# KiCad board Z3660_v023.kicad_pcb (continued)
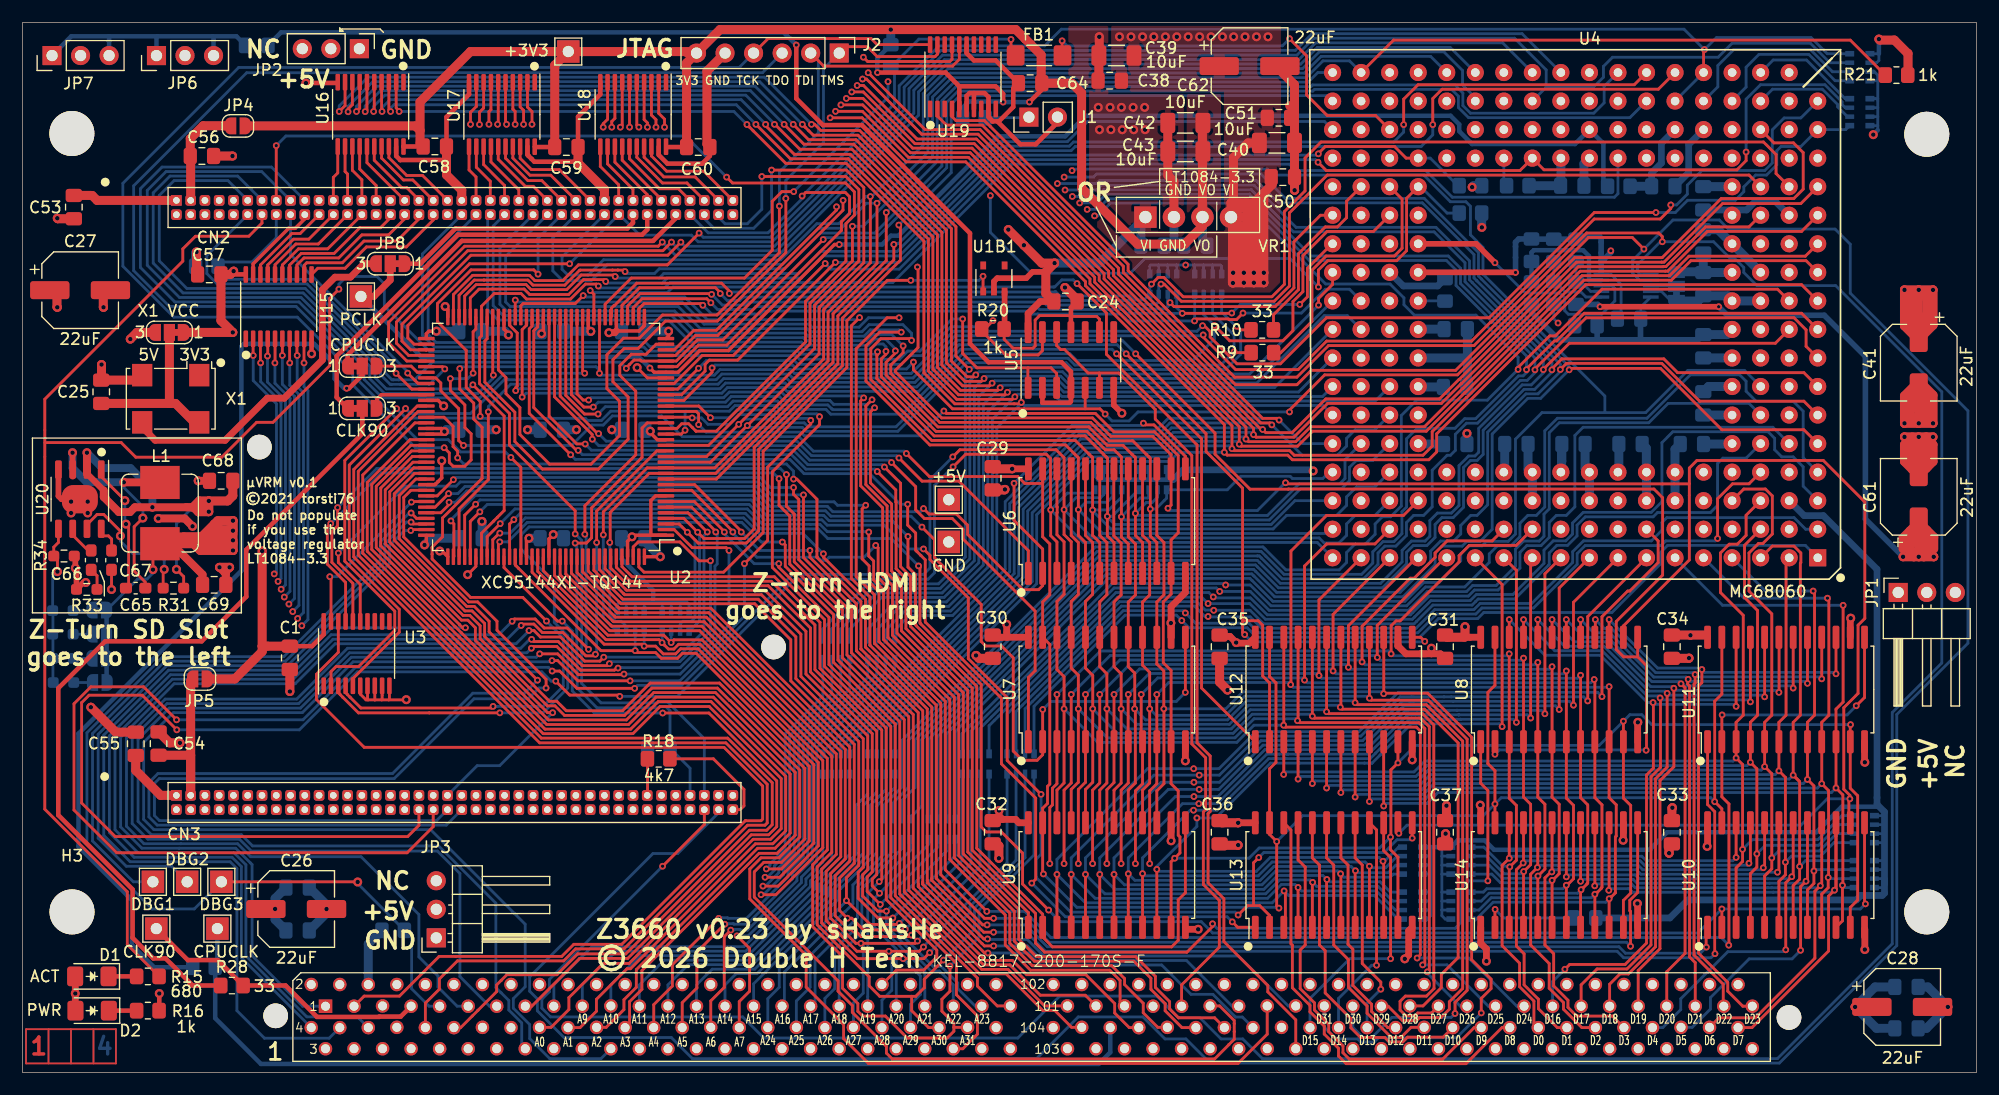
[diagram p0: board, top side]
## Routing (per net, layer and track width the routed paths; a pad name or vN(x,y) marks a point on that pad's centre or on a via; arc(x,y) is an arc through that point) (continued)
+5V: length 280.5
  Top w0.25: v1(13.71,44.77) 14.35,44.13 R31.2
  Top w0.5: v2(140.41,68.14) v2(150.98,68.14) ; 91.08,71.24 89.9,71.24 89.35,70.69 86.76,70.69 86.47,70.4 U1B1.2
  Top w0.55: 5.74,53.29 7.24,51.8
  Top w0.6: D1.2 4.7,8.54 v1(4.7,7.03) 4.7,5.52 D2.2 ; 86.61,22.55 86.64,22.53 87.24,22.53 ; C30.1 86.56,38.73 87.6,38.73 ; v1(86.92,23.32) 86.92,22.84 87.24,22.53 ; 129.79,38.73 128.83,38.73 128.82,38.73 128.35,38.73 ; U14.24 129.79,23.76 v1(129.75,23.8) ; 87.6,38.73 U7.24 ; 87.6,38.73 v1(87.6,39.88) ; 87.24,22.53 88.39,22.53 88.7,22.22 89.54,22.22 ; C29.1 86.43,53.85 86.43,53.72 89.54,53.72 ; C35.1 106.68,38.8 107.48,38.8 v1(108.03,38.26) 108.08,38.21 109.2,38.21 109.73,38.73 ; v1(108.2,22.22) 108.21,22.22 U13.24 ; 149.99,22.22 149.99,20.16 v1(149.95,20.12) ; U5.14 89.51,67.53 90.59,68.61 C24.1 ; 149.79,38.93 149.99,38.73
  Top w0.7: 5.74,53.29 5.74,53.66 5.74,53.66 v1(5.74,55.16) ; 14.59,50.3 15.19,50.3 15.63,49.86 16.54,49.86 v1(16.59,49.91) 16.19,50.3 14.59,50.3 ; 14.59,50.3 v1(11.57,50.3) 10,50.3 9.57,49.87 8.58,49.87 7.24,51.21 7.24,51.8
  Top w0.8: 86.43,53.72 v1(88.09,53.72) ; 86.43,53.72 86.23,53.92 86.43,53.72 ; C40.1 109.09,82.72 107.78,81.41 107.78,77.6 107.57,77.39 ; 107.57,77.39 VR1.4 ; 107.57,77.39 109.6,77.39 ; VR1.4 108.46,77.01 108.71,77.01 ; VR1.4 108.84,76.12 ; VR1.4 108.33,75.36 108.33,71.55 v1(108.71,71.17) ; VR1.4 107.7,76.12 107.7,72.56 ; 109.6,70.66 v1(109.6,70.28) ; 109.6,70.66 v1(109.6,71.17) ; 109.6,70.66 110.11,71.17 ; v1(109.6,70.28) v1(110.49,70.28) 110.49,78.28 ; v1(109.6,70.28) v1(108.71,70.28) ; 169.42,46.15 169.48,46.21 169.48,48.28 ; C53.1 6.2,78.05 6.64,77.61 CN2.1 ; C33.1 146.81,23.52 v1(146.85,23.56) ; 107.7,72.56 107.7,70.28 ; 107.7,72.56 107.7,70.29 v1(107.74,70.25) 107.76,70.28 v1(108.71,70.28) ; 169.23,45.89 169.48,46.15 ; 169.23,45.89 v1(170.12,45.89) ; 169.23,45.89 168.34,45.89 ; v1(108.71,71.17) 109.6,72.06 ; v1(108.71,71.17) v1(109.6,71.17) ; v1(108.71,71.17) v1(108.71,70.28) ; v1(108.71,71.17) v1(107.76,71.17) ; 108.97,76.75 108.71,77.01 ; 108.71,77.01 108.33,77.39 ; 109.86,71.8 109.86,77.64 ; 109.86,77.64 109.6,77.39 ; 109.86,77.64 111.23,79.02 111.23,79.68 ; v1(108.71,70.28) v1(109.6,71.17) ; 108.97,71.42 108.97,77.26 108.84,77.39 ; v1(16.59,50.86) 18.26,50.86 18.72,51.32 C68.1 ; v1(16.59,50.86) v1(16.59,49.91) ; v1(16.59,50.86) 15.75,50.86 15.19,50.3 ; v1(128.4,39.67) 128.4,38.79 128.35,38.73 126.81,38.73 C31.1 ; 168.15,46.4 168.02,46.53 168.02,48.21 ; 109.6,72.06 v1(110.49,71.17) v1(109.6,71.17) ; 109.6,72.06 109.6,77.39 ; C24.1 91.08,69.33 91.08,71.24 v1(91.87,72.03) 90.73,72.03 v1(89.14,73.62) v1(87.75,75) ; CN3.1 12.3,24.66 10.08,26.88 C55.1 ; v1(108.2,22.22) 108.2,22.22 106.75,22.22 106.55,22.42 C36.1 ; 168.78,48.97 167.39,47.58 167.39,46.59 ; 168.78,48.97 v1(168.78,45.89) ; 168.78,48.97 170.12,47.64 170.12,46.59 ; 107.76,70.48 107.79,70.46 108.71,70.46 ; 168.34,45.89 v1(167.39,45.89) ; 168.34,45.89 168.02,46.21 ; 165.12,5.84 v1(163.12,5.84) ; C34.1 149.79,38.93 ; v1(107.76,71.17) 108.47,70.46 ; v1(107.76,71.17) 107.88,71.17 108.97,72.25 ; JP11.3 10.19,65.86 v1(9.6,65.26) ; 3.07,69.62 3.07,68.12 v1(3.1,68.09) ; 126.75,22.36 v1(126.75,23.74)
  Bottom w0.25: v1(16.59,50.86) 15.72,50.86 13.71,48.85 v1(13.71,44.77)
  Bottom w0.5: v2(150.98,68.14) 151.74,67.38 160.38,67.38 164.03,63.72 164.03,49.25 v1(167.39,45.89) ; R26.2 140.21,68.35 v2(140.41,68.14)
  Bottom w0.7: v1(11.57,50.3) 11.57,51.84 9.62,53.79 7.11,53.79 v1(5.74,55.16)
  Bottom w0.8: C52.1 99.55,75.72 VR1.1 95.86,72.03 v1(91.87,72.03) ; C11.1 22.49,13.61 22.49,15.49 C13.1 ; C14.1 165.02,3.93 v1(163.12,5.84) 164.9,7.62 C12.1
  vias: v1(22.49,14.56) v1(97.64,92.16) v1(98.67,92.16) v1(99.69,92.16) v1(100.7,92.16) v1(101.73,92.16) v1(102.74,92.16) v1(103.76,92.16) v1(104.77,92.16) v1(105.79,92.16) v1(106.81,92.16) v1(107.8,92.16) v1(108.82,92.16) v1(109.84,92.16) v1(110.86,92.16) v1(148.46,38.91)
GNDA: length 8.6
  Bottom w0.5: NT1.1 140.51,74.24 140.36,74.39 138.51,74.39 R25.1 R23.1 134.33,74.16 R24.1 133.18,74.17 132.89,73.88 NT3.1
040A0: length 68.6
  Top w0.25: U2.121 43.86,45.17 43.93,45.09 43.93,45.09 44.14,44.89 44.14,44.89 51.49,37.54 v2(54.54,37.54) 54.71,37.36 56.36,37.36 56.87,36.85 58.3,36.85 58.75,37.3 59.97,37.3 70.03,27.24 70.03,20.6 67.55,18.12 v2(66.21,18.12)
  Bottom w0.25: RN10.4 71.24,33.5 67.92,30.17 67.92,30.15 67.89,30.12 67.89,19.91 66.53,18.56 66.53,18.43 v2(66.21,18.12) ; v2(54.54,37.54) RN22.6
040A1: length 69.8
  Top w0.25: v2(66.09,17.38) 67.41,17.38 70.43,20.4 70.43,27.41 60.14,37.7 58.59,37.7 58.14,37.26 57.04,37.26 56.35,37.94 v2(55.34,37.94) 55.16,38.11 51.77,38.11 45.36,44.53 U2.124
  Bottom w0.25: RN10.3 72.04,33.7 68.29,29.95 68.29,19.75 66.93,18.39 66.93,18 66.31,17.38 v2(66.09,17.38) ; RN22.5 v2(55.34,37.94)
040A2: length 71.7
  Top w0.25: v2(65.9,16.59) 67.25,16.59 70.83,20.17 70.83,27.59 60.32,38.11 58.4,38.11 57.97,37.68 57.5,37.68 57.16,38.02 v2(56.93,38.25) 56.66,38.51 51.93,38.51 45.86,44.59 U2.125
  Bottom w0.25: RN10.2 72.84,33.92 68.73,29.81 68.73,29.8 68.73,29.78 68.69,29.74 68.69,29.73 68.69,29.73 68.69,19.59 67.33,18.22 67.33,17.8 66.12,16.59 v2(65.9,16.59) ; v2(56.93,38.25) 56.94,38.26 RN21.8
040A3: length 73.6
  Top w0.25: U2.126 46.36,44.66 52.1,38.91 57.08,38.91 v2(57.74,38.26) 57.99,38.51 60.49,38.51 71.24,27.76 71.24,20.01 67.05,15.82 v2(65.74,15.82)
  Bottom w0.25: v2(65.74,15.82) 65.95,15.82 67.73,17.6 67.73,18.06 69.09,19.42 69.09,29.56 69.09,29.56 69.09,29.58 69.13,29.61 69.13,29.64 73.64,34.15 RN10.1 ; v2(57.74,38.26) RN21.7
040A4: length 42.2
  Top w0.25: v2(61.97,13.72) 57.85,9.59 57.85,7.69 56.19,6.03 56.19,4 CN1.52
  Bottom w0.25: RN9.4 75.24,35.17 69.56,29.48 69.56,29.47 69.49,29.41 69.49,29.4 69.49,29.39 69.49,19.25 68.13,17.89 68.13,17.4 64.45,13.72 62.8,13.72 62.75,13.77 62.27,13.77 62.22,13.72 v2(61.97,13.72)
040A5: length 41.1
  Top w0.25: CN1.56 58.72,6.21 60.03,7.52 60.03,10.72 v2(62.51,13.2)
  Bottom w0.25: RN9.3 76.04,35.39 69.9,29.25 69.9,29.23 69.89,29.23 69.89,19.09 68.53,17.73 68.53,17.24 64.49,13.2 63.33,13.2 63.28,13.25 62.8,13.25 62.76,13.2 v2(62.51,13.2)
040A6: length 40.1
  Top w0.25: v2(63.04,12.67) 62.47,12.09 62.47,7.58 61.26,6.37 CN1.60
  Bottom w0.25: RN9.2 76.84,35.62 70.43,29.2 70.43,29.19 70.3,29.06 70.3,18.92 68.93,17.56 68.93,17.07 64.53,12.67 63.91,12.67 63.84,12.74 63.36,12.74 63.3,12.67 v2(63.04,12.67)
040A7: length 40
  Top w0.25: CN1.64 63.8,6.32 64.72,7.23 64.72,11.04 v2(63.6,12.16)
  Bottom w0.25: v2(63.6,12.16) 64.59,12.16 69.33,16.9 69.33,17.39 70.7,18.76 70.7,28.9 77.64,35.84 RN9.1
040A8: length 38.5
  Bottom w0.25: RN8.4 71.24,18.73 69.73,17.23 69.73,16.72 64.21,11.2 52.66,11.2 52.66,11.2 50.69,11.2 47.3,7.8 47.3,5.91 CN1.33
040A9: length 36.6
  Bottom w0.25: RN8.3 72.04,18.96 70.14,17.06 70.14,16.56 64.38,10.8 52.83,10.8 49.83,7.8 CN1.37
040A10: length 34.7
  Bottom w0.25: CN1.41 52.37,7.8 54.97,10.4 64.58,10.4 70.54,16.36 70.54,16.9 72.84,19.2 RN8.2
040A11: length 32.9
  Bottom w0.25: CN1.45 54.91,7.8 57.11,10 64.78,10 70.94,16.16 70.94,16.73 73.64,19.43 RN8.1
040A12: length 31.4
  Bottom w0.25: RN7.4 75.24,24.81 74.24,23.81 74.24,19.46 71.34,16.56 71.34,15.95 64.98,9.6 59.25,9.6 57.45,7.8 CN1.49
040A13: length 29.5
  Bottom w0.25: CN1.53 59.99,7.8 61.39,9.2 65.18,9.2 71.74,15.76 71.74,16.4 74.84,19.5 74.84,23.77 76.04,24.97 RN7.3
040A14: length 27.7
  Bottom w0.25: CN1.57 62.53,7.8 63.53,8.8 65.38,8.8 72.14,15.56 72.14,16.23 75.44,19.53 75.44,23.76 76.84,25.16 RN7.2
040A15: length 25.9
  Bottom w0.25: 65.08,5.9 65.08,7.89 72.6,15.42 72.6,16.14 76.04,19.57 76.04,23.72 77.64,25.32 RN7.1
040A16: length 18.6
  Bottom w0.25: CN1.65 67.82,6.11 67.82,8.94 73.18,14.31 73.21,14.31 73.91,15.01 73.91,16.7 76.64,19.42 RN6.4
040A17: length 17.9
  Bottom w0.25: RN6.3 77.44,19.65 74.31,16.53 74.31,13.78 70.55,10.01 70.55,6.3 CN1.69
040A18: length 17.2
  Bottom w0.25: RN6.2 78.24,19.89 74.71,16.37 74.71,12.5 72.7,10.49 72.7,5.91 CN1.73
040A19: length 62.4
  Top w0.25: v2(76.26,16.98) 76.48,17.21 76.48,30.47 70.98,35.97 70.98,40.06 66.93,44.12 54.26,44.12 53.36,45.02 U2.140
  Bottom w0.25: RN6.1 79.04,19.77 76.26,17 v2(76.26,16.98) 75.24,15.96 75.24,6.75 75.23,6.75 CN1.77
040A20: length 65.1
  Top w0.25: U2.139 52.86,44.95 54.1,43.72 66.65,43.72 70.54,39.83 70.54,35.86 76.04,30.36 76.04,17.61 75.64,17.2 75.64,16.61 v2(76.29,15.95)
  Bottom w0.25: RN5.4 80.64,20.3 76.29,15.95 v2(76.29,15.95) 76.29,15.95 75.74,15.41 75.74,13.03 77.78,10.99 77.78,5.91 CN1.81
040A21: length 67.3
  Top w0.25: U2.138 52.36,44.89 53.93,43.31 66.38,43.31 70.14,39.56 70.14,35.66 75.64,30.16 75.64,17.86 75.19,17.41 75.19,16.12 76.3,15.01 76.3,14.91 v2(76.35,14.96)
  Bottom w0.25: CN1.85 80.32,5.91 80.32,9.02 76.32,13.01 76.32,14.92 v2(76.35,14.96) 81.44,20.04 RN5.3
040A22: length 69.9
  Top w0.25: v2(76.89,14.36) 76.13,14.36 74.79,15.7 74.79,17.61 75.24,18.06 75.24,29.95 69.74,35.45 69.74,39.26 66.08,42.92 53.77,42.92 53.66,43.02 51.86,44.82 U2.137
  Bottom w0.25: RN5.2 82.24,19.7 v2(76.89,14.36) 76.89,13 80.87,9.03 81.62,9.03 82.85,7.8 82.85,5.91 CN1.89
040A23: length 72.4
  Top w0.25: U2.136 51.36,44.76 53.6,42.52 65.78,42.52 69.29,39.01 69.29,35.26 74.84,29.7 74.84,18.26 74.39,17.81 74.39,15.51 76.14,13.75 v2(77.47,13.75)
  Bottom w0.25: CN1.93 84.81,5.9 83.25,7.47 83.25,7.97 81.78,9.43 81.06,9.43 77.47,13.03 v2(77.47,13.75) 83.04,19.32 RN5.1
040A24: length 83.4
  Top w0.25: v2(73.34,15.29) 75.46,13.18 77.95,13.18 v2(78.05,13.27) ; v2(73.34,15.29) 73.37,15.29 73.34,15.33 73.34,17.33 74.44,18.43 74.44,29.45 68.84,35.06 68.84,38.77 65.49,42.12 53.43,42.12 53.33,42.22 50.86,44.69 U2.135 ; v2(73.34,15.29) 73.27,15.22
  Bottom w0.25: v2(73.34,15.29) 73.27,15.22 73.27,15.19 67.36,9.29 67.36,7.59 66.34,6.57 CN1.68 ; v2(78.05,13.27) 83.64,18.86 RN4.4
040A25: length 83.2
  Top w0.25: U2.134 50.36,44.62 53.27,41.72 65.18,41.72 68.39,38.51 68.39,34.86 74.04,29.2 74.04,18.61 72.74,17.31 72.74,14.41 73.41,13.73 v2(73.42,13.73) 73.82,13.73 74.86,12.69 78.53,12.69 v2(78.57,12.73)
  Bottom w0.25: CN1.72 68.88,6.37 70.1,7.59 70.1,10.41 v2(73.42,13.73) ; v2(78.57,12.73) 84.44,18.6 RN4.3
040A26: length 81.4
  Top w0.25: v2(79.13,12.23) 78.99,12.09 74.64,12.09 v2(74.04,12.69) 73.58,12.69 72.34,13.94 72.34,17.51 73.64,18.81 73.64,28.95 61.28,41.31 53.1,41.31 53,41.42 49.86,44.56 U2.133
  Bottom w0.25: RN4.2 85.24,18.34 v2(79.13,12.23) ; CN1.76 71.42,6.59 72.3,7.47 72.3,10.95 v2(74.04,12.69)
040A27: length 81.5
  Top w0.25: v2(79.66,11.7) 79.46,11.5 v2(74.63,11.5) 74.17,11.5 71.94,13.73 71.94,17.7 73.24,19.01 73.24,28.76 61.08,40.91 52.94,40.91 52.84,41.02 49.36,44.49 U2.132
  Bottom w0.25: RN4.1 86.04,18.08 v2(79.66,11.7) ; CN1.80 73.96,6.19 74.84,7.06 74.84,11.29 v2(74.63,11.5)
040A28: length 83.3
  Top w0.25: v2(80.19,11.17) 79.81,10.79 v2(77.11,10.79) 74.27,10.79 71.54,13.52 71.54,17.91 72.84,19.2 72.84,28.56 60.88,40.51 52.77,40.51 52.67,40.62 48.86,44.43 U2.131
  Bottom w0.25: v2(80.19,11.17) 80.19,11.21 87.64,18.66 RN3.4 ; v2(77.11,10.79) 77.38,10.53 77.38,7.32 76.5,6.44 CN1.84
040A29: length 85.2
  Top w0.25: U2.130 48.36,44.36 52.61,40.11 60.68,40.11 72.44,28.36 72.44,19.41 71.14,18.11 71.14,13.31 74.32,10.13 v2(78.38,10.13) 80.21,10.13 v2(80.75,10.66)
  Bottom w0.25: RN3.3 88.44,18.89 84.34,14.79 84.34,14.25 v2(80.75,10.66) ; CN1.88 79.04,6.07 79.92,6.94 79.92,8.6 v2(78.38,10.13)
040A30: length 88
  Top w0.25: 79.15,6.78 79.15,5.51 80.66,4 CN1.92 ; 79.15,6.78 76.3,6.78 75.36,7.72 75.36,8.52 70.74,13.14 70.74,18.31 72.04,19.61 72.04,28.16 60.48,39.71 52.44,39.71 52.34,39.82 52.33,39.82 47.86,44.29 U2.129 ; 79.15,6.78 79.51,6.78 80.26,7.54 80.26,8.29 v2(81.98,10.01)
  Bottom w0.25: v2(81.98,10.01) 84.74,12.77 84.74,14.62 89.24,19.12 RN3.2
040A31: length 95.1
  Top w0.25: U2.128 47.36,44.22 52.27,39.31 60.28,39.31 71.64,27.95 71.64,19.81 70.34,18.51 70.34,12.98 72.99,10.32 72.99,7.5 74.36,6.13 74.36,5.45 74.78,5.03 76.8,5.03 78.76,3.07 82.3,3.07 82.9,3.67 82.9,4.01 ; 82.9,4.01 82.9,4.39 81.84,5.46 81.84,6.52 82.55,7.24 v2(82.55,9.47) ; 82.9,4.01 82.91,4.02 CN1.96
  Bottom w0.25: RN3.1 90.04,19.36 85.14,14.46 85.14,12.06 v2(82.55,9.47)
060A0: length 148.4
  Top w0.25: v2(70.23,84.37) 70.51,84.37 71.05,83.83 74.52,83.83 83.09,75.26 83.09,63.75 v2(84.27,62.57) ; v2(115.36,68.29) 115.36,68.88 116.61,70.13 U4.102 ; U16.9 28.71,86.04 v2(28.19,85.52)
  Bottom w0.25: v2(115.36,68.29) 109.23,62.16 93.34,62.16 92.74,62.76 84.46,62.76 v2(84.27,62.57) 83.92,62.22 83.92,45.88 81.53,43.48 75.25,43.48 71.24,39.48 RN10.5 ; v2(28.19,85.52) 28.19,86.01 30.75,88.57 66.03,88.57 v2(70.23,84.37)
060A1: length 145.3
  Top w0.25: v2(28.98,85.49) 28.98,85.74 29.36,86.12 U16.8 ; v2(84.85,62.08) 84.68,61.91 84.08,61.91 82.69,63.31 82.69,63.59 82.69,63.59 82.69,75.09 74.37,83.41 70.38,83.41 69.99,83.79 69.99,83.79 69.66,84.13 69.66,84.13 v2(69.42,84.37)
  Bottom w0.25: v2(28.98,85.49) 28.98,85.97 31.18,88.17 65.62,88.17 v2(69.42,84.37) ; U4.96 109.7,61.76 93.18,61.76 92.57,62.36 85.13,62.36 v2(84.85,62.08) 84.32,61.55 84.32,45.71 81.69,43.08 75.63,43.08 72.04,39.48 RN10.6
060A2: length 146.4
  Top w0.25: v2(85.59,61.75) 85.34,61.5 83.89,61.5 82.24,63.16 82.24,74.96 74.19,83 69.97,83 v2(68.6,84.37) ; v2(29.73,85.52) 30.01,85.8 U16.7
  Bottom w0.25: v2(68.6,84.37) 65.21,87.77 31.53,87.77 29.73,85.97 v2(29.73,85.52) ; U4.89 117.92,67.36 115.87,67.36 109.87,61.36 93.01,61.36 92.41,61.96 85.79,61.96 v2(85.59,61.75) 84.72,60.89 84.72,45.54 81.86,42.67 76.05,42.67 72.84,39.47 RN10.7
060A3: length 141.5
  Top w0.25: v2(86.3,61.34) 86.07,61.1 83.69,61.1 81.84,62.96 81.84,74.75 73.99,82.61 69.56,82.61 v2(67.79,84.37) ; v2(30.5,85.5) 30.66,85.66 30.66,88.13
  Bottom w0.25: U4.90 111.44,60.96 92.85,60.96 92.24,61.56 86.52,61.56 v2(86.3,61.34) 85.12,60.16 85.12,45.36 82.04,42.28 76.46,42.28 73.64,39.45 RN10.8 ; v2(30.5,85.5) 30.5,86 31.87,87.37 64.79,87.37 v2(67.79,84.37)
060A4: length 138.3
  Top w0.25: v2(87.02,60.93) 86.79,60.7 83.49,60.7 81.44,62.76 81.44,74.56 73.84,82.16 69.19,82.16 66.98,84.37 v2(66.94,84.37) ; v2(31.25,85.52) 31.31,85.58 U16.5
  Bottom w0.25: U4.84 113.58,60.56 92.68,60.56 92.08,61.16 87.24,61.16 v2(87.02,60.93) 85.52,59.44 85.52,45.16 82.24,41.88 77.66,41.88 75.24,39.45 RN9.5 ; v2(66.94,84.37) 66.94,84.41 64.38,86.97 53.96,86.97 32.26,86.97 31.25,85.96 v2(31.25,85.52)
060A5: length 135.8
  Top w0.25: 31.96,88.13 31.96,85.56 v2(32,85.52) ; v2(87.67,60.53) 87.45,60.3 83.32,60.3 81.04,62.59 81.04,74.36 73.69,81.71 68.7,81.71 66.25,84.15 66.25,84.27 v2(66.15,84.37)
  Bottom w0.25: v2(66.15,84.37) 66.15,84.39 63.97,86.57 53.8,86.57 32.72,86.57 32,85.85 v2(32,85.52) ; U4.78 115.72,60.16 92.52,60.16 91.91,60.76 87.9,60.76 v2(87.67,60.53) 85.92,58.78 85.92,44.96 82.44,41.48 78.12,41.48 76.04,39.4 RN9.6
060A6: length 139.5
  Top w0.25: U16.3 32.61,85.67 v2(32.77,85.52) ; 65.36,84.32 65.33,84.32 v2(65.28,84.37) 68.35,81.31 73.49,81.31 80.64,74.16 80.64,62.42 83.16,59.9 88.1,59.9 v2(88.33,60.13)
  Bottom w0.25: v2(32.77,85.52) 32.77,85.81 33.07,86.12 63.54,86.12 v2(65.28,84.37) ; 121.69,61.04 120.4,59.76 92.35,59.76 91.75,60.36 88.56,60.36 v2(88.33,60.13) 86.32,58.12 86.32,44.77 82.62,41.06 78.55,41.06 76.84,39.36 RN9.7
060A7: length 132
  Top w0.25: v2(33.53,85.52) 33.53,85.57 33.26,85.83 U16.2 ; v2(88.91,59.63) 88.78,59.5 88.27,59.5 88.27,59.5 82.99,59.5 80.23,62.26 80.23,73.99 73.32,80.9 68.18,80.9 68.18,80.91 67.93,80.91 65.04,83.79 65.04,83.79 64.71,84.13 64.71,84.13 v2(64.48,84.36)
  Bottom w0.25: U4.72 115.76,59.36 89.18,59.36 v2(88.91,59.63) 88.91,59.55 86.72,57.37 86.72,44.6 82.79,40.67 78.95,40.67 77.64,39.36 RN9.8 ; v2(33.53,85.52) 63.32,85.52 v2(64.48,84.36)
060A8: length 153.7
  Top w0.25: U17.9 40.4,85.96 39.88,85.44 v2(39.88,84.37) ; v2(111.85,58.06) 111.7,58.2 110.39,58.2 97.56,71.03 97.56,71.58 85.23,83.9 82.07,83.9 82.07,83.91 80.34,83.91 v2(75.28,88.97)
  In2.Cu w0.25: v2(39.88,84.37) 39.88,85.16 43.7,88.98 75.26,88.98 v2(75.28,88.97)
  Bottom w0.25: RN8.5 71.24,28.55 87.47,44.78 87.47,50.79 93.86,57.18 100.95,57.18 101.99,58.22 111.68,58.22 v2(111.85,58.06) 113.94,55.96 U4.66
060A9: length 158.3
  Top w0.25: v2(40.68,84.36) 40.68,85.45 41.05,85.82 U17.8 ; v2(111.2,57.63) 111.02,57.81 110.22,57.81 97.11,70.92 97.11,71.45 85.06,83.5 80.04,83.5 75.13,88.41 v2(74.77,88.41)
  In2.Cu w0.25: v2(74.77,88.41) 43.88,88.41 40.68,85.21 v2(40.68,84.36)
  Bottom w0.25: 121.69,58.5 120.38,57.2 118.62,57.2 117.86,56.43 117.86,55.74 117.04,54.93 113.9,54.93 v2(111.2,57.63) 111.03,57.8 102.13,57.8 101.11,56.78 94.02,56.78 87.87,50.63 87.87,44.57 72.04,28.73 RN8.6
060A10: length 199.7
  Top w0.25: U4.115 158.29,77.32 151.32,77.32 146.11,72.11 145.9,72.11 145.9,72.11 138.32,72.11 127.89,61.68 127.87,61.68 126.13,59.94 116,59.94 113,56.94 110.67,56.94 v2(110.38,57.22) 110.24,57.22 96.68,70.78 96.68,71.31 84.92,83.06 79.63,83.06 74.86,87.83 v2(74.29,87.83) ; 41.7,88.11 41.7,85.68 41.52,85.5 v2(41.52,84.38)
  In2.Cu w0.25: v2(41.52,84.38) 41.52,85.19 44.16,87.83 v2(74.29,87.83)
  Bottom w0.25: RN8.7 72.84,28.97 88.27,44.4 88.27,50.46 94.19,56.38 101.28,56.38 102.26,57.36 110.24,57.36 v2(110.38,57.22)
060A11: length 191.2
  Top w0.25: U4.111 153.67,75.25 149.81,75.25 146.27,71.71 146.07,71.71 146.06,71.71 138.48,71.71 128.06,61.28 128.03,61.28 126.29,59.54 116.17,59.54 113.16,56.54 109.8,56.54 v2(109.57,56.77) 109.57,57.32 96.27,70.63 96.27,71.11 84.72,82.66 79.44,82.66 74.84,87.25 v2(73.81,87.25) ; v2(42.29,84.37) 42.35,84.43 U17.6
  In2.Cu w0.25: v2(73.81,87.25) 44.4,87.25 42.29,85.15 v2(42.29,84.37)
  Bottom w0.25: v2(109.57,56.77) 109.37,56.96 102.43,56.96 101.44,55.98 94.35,55.98 88.67,50.3 88.67,44.23 73.64,29.2 RN8.8
060A12: length 193.8
  Top w0.25: v2(43.08,84.37) 43,84.46 43,88.11 ; U4.109 158.35,74.85 149.98,74.85 146.44,71.31 146.23,71.31 146.23,71.31 138.65,71.31 128.22,60.88 128.2,60.88 124.79,57.47 114.66,57.47 113.33,56.14 109.13,56.14 v2(108.9,56.36) 108.9,57.42 95.84,70.49 95.84,70.94 84.52,82.25 79.24,82.25 74.81,86.68 v2(73.33,86.68)
  In2.Cu w0.25: v2(43.08,84.37) 43.08,85.12 44.64,86.68 v2(73.33,86.68)
  Bottom w0.25: RN7.5 75.24,30.22 89.07,44.05 89.07,50.13 94.52,55.58 101.61,55.58 102.6,56.56 108.7,56.56 v2(108.9,56.36)
060A13: length 190.8
  Top w0.25: v2(43.85,84.37) 43.85,85.52 43.65,85.73 U17.4 ; v2(72.85,86.11) 74.79,86.11 79.05,81.84 84.36,81.84 95.44,70.77 95.44,70.33 108.3,57.46 v2(108.3,55.91) 108.48,55.74 113.5,55.74 114.83,57.07 124.95,57.07 128.37,60.48 128.39,60.48 138.81,70.91 146.6,70.91 148.33,72.64 158.69,72.64 U4.103
  In2.Cu w0.25: v2(72.85,86.11) 44.86,86.11 43.85,85.1 v2(43.85,84.37)
  Bottom w0.25: v2(108.3,55.91) 108.05,56.16 102.76,56.16 101.77,55.18 94.68,55.18 89.47,49.96 89.47,43.87 76.04,30.44 RN7.6
060A14: length 189.6
  Top w0.25: U17.3 44.3,85.92 44.6,85.62 v2(44.6,84.37) ; U4.97 158.75,72.24 148.5,72.24 146.76,70.5 138.98,70.5 128.56,60.08 128.53,60.08 125.48,57.03 125.48,55.74 124.66,54.93 113.2,54.93 112.79,55.34 107.83,55.34 v2(107.66,55.51) 107.66,57.54 95.02,70.18 95.02,70.62 84.2,81.44 78.86,81.44 74.76,85.53 v2(72.37,85.53)
  In2.Cu w0.25: v2(72.37,85.53) 71.76,85.53 45.13,85.53 44.6,85 v2(44.6,84.37)
  Bottom w0.25: RN7.7 76.84,30.66 89.87,43.69 89.87,49.8 94.85,54.78 101.94,54.78 102.93,55.76 107.4,55.76 v2(107.66,55.51)
060A15: length 186.6
  Top w0.25: v2(71.89,84.95) 71.89,84.96 74.74,84.96 78.66,81.03 83.96,81.03 94.62,70.38 94.62,70.02 106.97,57.66 v2(106.97,55.19) 107.23,54.94 112.62,54.94 113.03,54.53 125.18,54.53 125.88,55.23 125.88,56.84 139.15,70.11 158.35,70.11 U4.91 ; v2(45.35,84.37) 45.35,85.5 44.95,85.91 U17.2
  In2.Cu w0.25: v2(45.35,84.37) 45.35,84.71 45.59,84.95 v2(71.89,84.95)
  Bottom w0.25: v2(106.97,55.19) 102.92,55.19 102.11,54.38 95.02,54.38 90.27,49.63 90.27,43.5 87.33,40.56 87.32,40.56 86.93,40.16 86.93,40.16 77.64,30.87 RN7.8
060A16: length 208.1
  Top w0.25: U4.92 156.21,69.71 140.59,69.71 136.44,65.55 135.93,65.55 133.12,62.74 v2(133.12,62.57) ; U18.9 52.08,84.82 51.69,84.43 v2(51.69,84.12)
  In2.Cu w0.25: v2(95.42,76.23) 91.68,76.23 86.97,80.94 54.23,80.94 51.69,83.48 v2(51.69,84.12)
  Bottom w0.25: v2(95.42,76.23) 95.71,76.23 96.84,77.36 108.81,77.36 116,70.17 121.72,70.17 122.96,68.93 122.96,68.32 123.89,67.4 129.37,67.4 133.12,63.65 v2(133.12,62.57) 130.39,59.83 124.09,59.83 122.73,58.47 122.73,50.41 121.77,49.45 121.03,49.45 120.4,48.81 120.4,47.9 119.53,47.04 118.62,47.04 117.86,46.27 117.86,45.39 117.2,44.73 112.45,44.73 110.41,46.77 95.49,46.77 78.24,29.51 78.24,25.36 76.64,23.76 RN6.5
060A17: length 209.2
  Top w0.25: U18.8 52.73,84.91 52.45,84.63 v2(52.45,84.12) ; v2(133.87,62.54) 133.87,62.62 136.35,65.1 136.55,65.1 139.01,67.56 158.35,67.56 U4.85
  In2.Cu w0.25: v2(94.77,76.8) 91.72,76.8 87.18,81.34 54.59,81.34 52.45,83.48 v2(52.45,84.12)
  Bottom w0.25: RN6.6 77.44,23.95 78.84,25.36 78.84,29.55 95.66,46.37 110.08,46.37 110.25,46.37 112.29,44.33 119.19,44.33 120.19,45.33 120.19,46.33 121.1,47.24 122.08,47.24 122.78,47.95 122.78,49.9 123.19,50.31 123.19,56.39 124.13,57.33 127.51,57.33 128.36,58.18 129.35,58.18 133.16,61.99 133.57,61.99 133.87,62.29 v2(133.87,62.54) 133.87,63.76 127.6,70.04 127.6,71.4 126.74,72.26 114.54,72.26 109.05,77.75 96.64,77.75 95.69,76.8 v2(94.77,76.8)
060A18: length 208.5
  Top w0.25: U4.79 158.75,64.62 158.75,66.09 157.68,67.16 139.17,67.16 134.62,62.61 v2(134.62,62.53) ; v2(53.21,84.12) 53.38,84.29 U18.7
  In2.Cu w0.25: v2(53.21,84.12) 53.21,83.52 54.99,81.75 87.35,81.75 91.71,77.38 v2(94.1,77.38)
  Bottom w0.25: RN6.7 78.24,24.16 79.44,25.36 79.44,29.58 95.82,45.97 109.92,45.97 110.08,45.97 112.12,43.93 119.35,43.93 120.65,45.23 120.65,46.23 121.26,46.84 122.24,46.84 123.18,47.78 123.18,48.93 123.83,49.58 124.71,49.58 125.48,50.34 125.48,53.6 126.81,54.93 127.1,54.93 127.54,55.36 127.54,56.79 128.53,57.78 129.51,57.78 133.32,61.59 133.93,61.59 134.62,62.28 v2(134.62,62.53) 134.62,63.58 128,70.2 128,71.57 126.91,72.66 114.71,72.66 109.21,78.16 96.44,78.16 95.66,77.38 v2(94.1,77.38)
060A19: length 203
  Top w0.25: v2(54.04,84.12) 54.03,84.13 U18.6 ; U4.86 156.02,64.89 137.68,64.89 135.37,62.58 v2(135.37,62.54)
  In2.Cu w0.25: v2(54.04,84.12) 54.04,83.52 55.41,82.16 87.54,82.16 91.74,77.95 v2(93.45,77.95)
  Bottom w0.25: RN6.8 79.04,22.7 80.04,23.7 80.04,29.62 95.99,45.57 109.92,45.57 111.96,43.53 120.88,43.53 122.79,45.44 122.79,46.46 123.63,47.29 124.84,47.29 125.27,47.72 125.27,49.11 125.94,49.78 127.18,49.78 127.86,50.47 127.86,54.01 128.72,54.86 129.28,54.86 129.61,55.19 129.61,57.32 133.49,61.19 134.3,61.19 135.37,62.27 v2(135.37,62.54) 135.37,63.39 128.4,70.37 128.4,72.05 125.65,74.8 113.13,74.8 109.38,78.56 96.24,78.56 95.64,77.95 v2(93.45,77.95)
060A20: length 204.1
  Top w0.25: U4.73 158.56,62.28 147.32,62.28 146.09,63.5 137.02,63.5 136.13,62.62 v2(136.13,62.53) ; U18.5 54.68,84.3 v2(54.86,84.12)
  In2.Cu w0.25: v2(92.8,78.53) 91.76,78.53 87.73,82.56 55.79,82.56 54.86,83.49 v2(54.86,84.12)
  Bottom w0.25: v2(92.8,78.53) 95.61,78.53 96.04,78.96 109.61,78.96 113.36,75.2 125.81,75.2 128.8,72.22 128.8,70.54 129.05,70.29 129.05,70.28 136.13,63.2 v2(136.13,62.53) 136.13,62.33 134.59,60.79 133.65,60.79 130.01,57.15 130.01,55.01 129.47,54.46 128.88,54.46 128.26,53.84 128.26,50.3 127.35,49.38 126.34,49.38 125.73,48.77 125.73,47.61 125.01,46.89 123.79,46.89 123.19,46.29 123.19,45.28 121.05,43.13 111.79,43.13 109.75,45.17 96.16,45.17 80.64,29.65 RN5.5
060A21: length 204.3
  Top w0.25: v2(55.63,84.12) 55.63,84.5 55.33,84.8 U18.4 ; v2(136.88,62.56) 137.43,63.1 145.91,63.1 149.28,59.74 158.56,59.74 U4.67
  In2.Cu w0.25: v2(92.12,79.1) 91.84,79.1 87.98,82.96 56.2,82.96 55.63,83.53 v2(55.63,84.12)
  Bottom w0.25: RN5.6 81.44,29.88 96.32,44.77 109.59,44.77 111.63,42.73 122.62,42.73 125.33,45.44 125.33,46.4 126.23,47.29 127.38,47.29 128.02,47.92 128.02,48.69 128.91,49.58 129.47,49.58 130.41,50.52 130.41,56.99 133.82,60.39 134.89,60.39 136.88,62.38 v2(136.88,62.56) 136.88,63.01 129.45,70.44 129.45,70.45 129.2,70.71 129.2,72.78 124.59,77.39 111.79,77.39 109.82,79.37 95.85,79.37 95.59,79.1 v2(92.12,79.1)
060A22: length 204.9
  Top w0.25: U18.3 55.98,85.2 56.39,84.79 v2(56.39,84.12) ; v2(137.67,62.53) 137.8,62.66 145.8,62.66 151.26,57.2 158.56,57.2 U4.61
  In2.Cu w0.25: v2(56.39,84.12) 56.39,83.58 56.61,83.37 88.23,83.37 91.91,79.68 v2(92.72,79.68)
  Bottom w0.25: v2(92.72,79.68) 95.34,79.68 95.62,79.96 110.24,79.96 112.4,77.79 124.77,77.79 129.6,72.96 129.6,70.87 129.85,70.62 129.85,70.61 137.67,62.79 v2(137.67,62.53) 135.13,59.99 133.99,59.99 130.81,56.82 130.81,48.33 129.75,47.26 128.57,47.26 128.14,46.84 126.34,46.84 125.73,46.23 125.73,45.19 122.88,42.33 111.46,42.33 109.42,44.37 96.49,44.37 82.24,30.12 RN5.7
060A23: length 202.7
  Top w0.25: v2(57.15,84.12) 57.15,84.83 56.63,85.35 U18.2
  In2.Cu w0.25: v2(57.15,84.12) 57.5,83.77 88.39,83.77 88.41,83.75 88.54,83.75 92.04,80.25 92.48,80.25 92.48,80.26 92.95,80.26 92.96,80.25 v2(93.42,80.25)
  Bottom w0.25: RN5.8 83.04,30.35 96.65,43.97 109.26,43.97 111.29,41.93 123.04,41.93 124.72,43.61 126.09,43.61 128.02,45.53 128.02,46.15 128.73,46.86 129.91,46.86 130.31,47.26 132.24,47.26 132.89,47.91 132.89,56.36 135.25,58.72 140.84,58.72 ; 140.84,58.72 140.84,58.72 140.84,60.19 130,71.04 130,73.43 128.88,74.54 128.88,77.08 128.48,77.49 127.1,77.49 124.72,79.86 111.33,79.86 110.81,80.39 93.55,80.39 v2(93.42,80.25) ; 140.84,58.72 144.48,58.72 148.23,62.48 153.27,62.48 U4.75